# KiCad board RC-2XXA.kicad_pcb
title: KEYrschwein; date: 2025-12-23; company: KKLabs
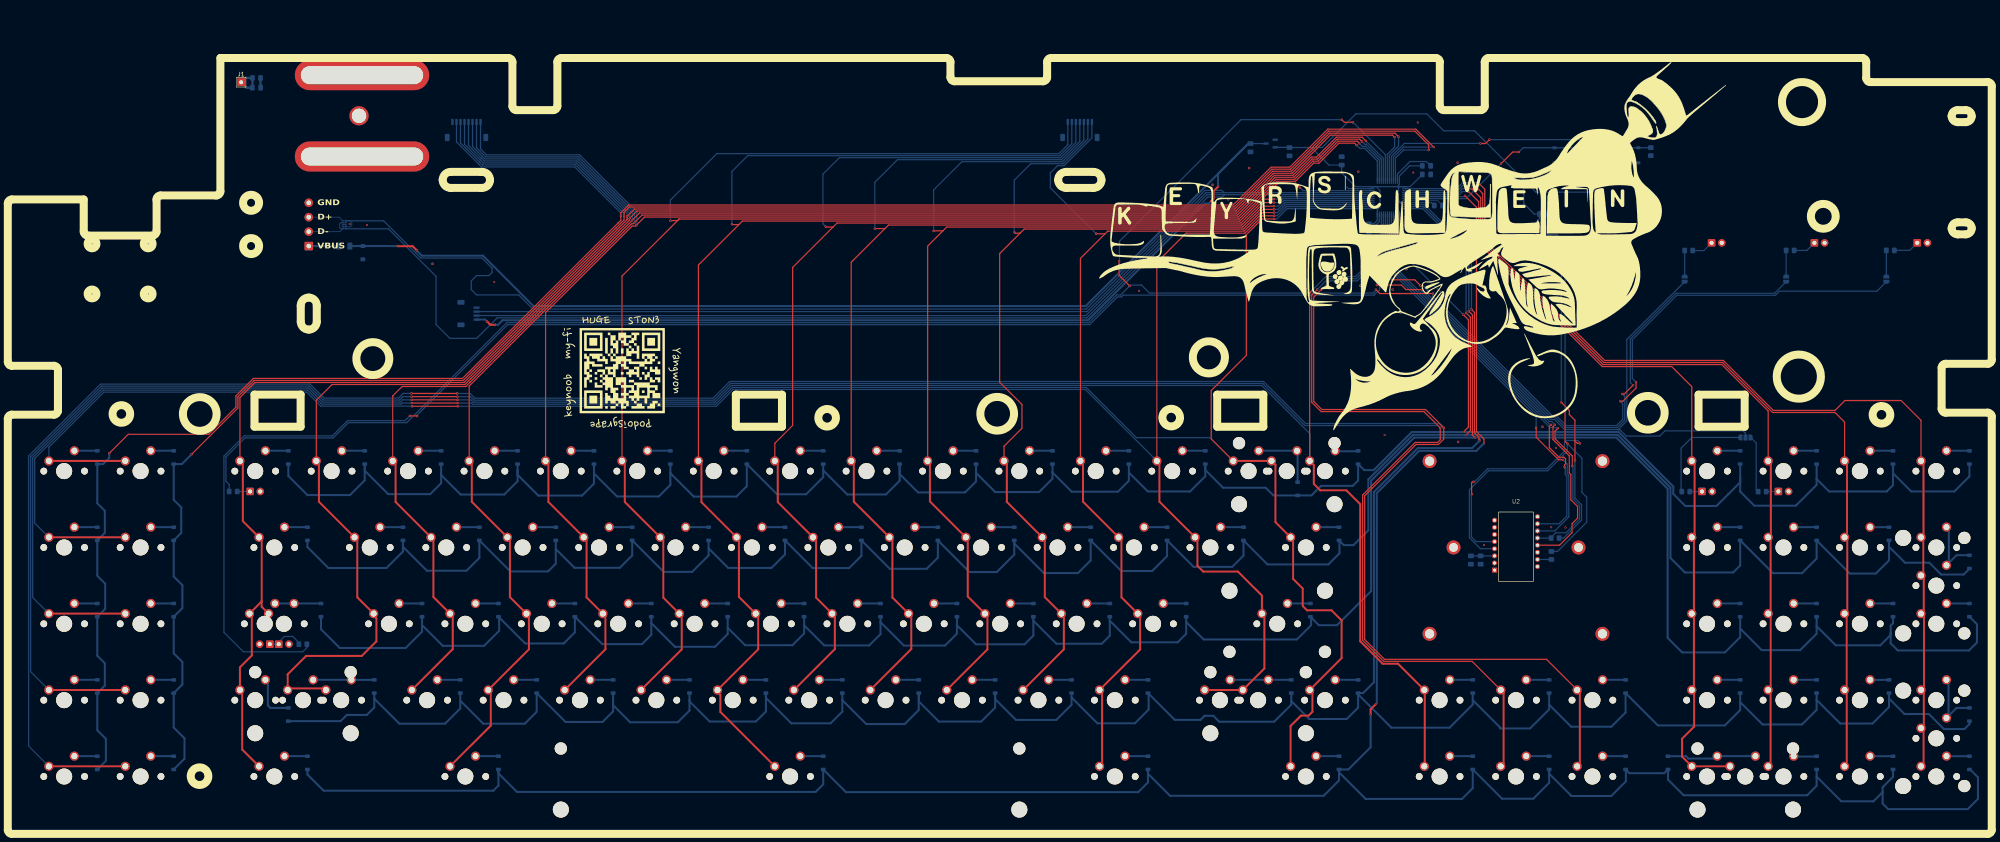
[diagram p0: board, top side]
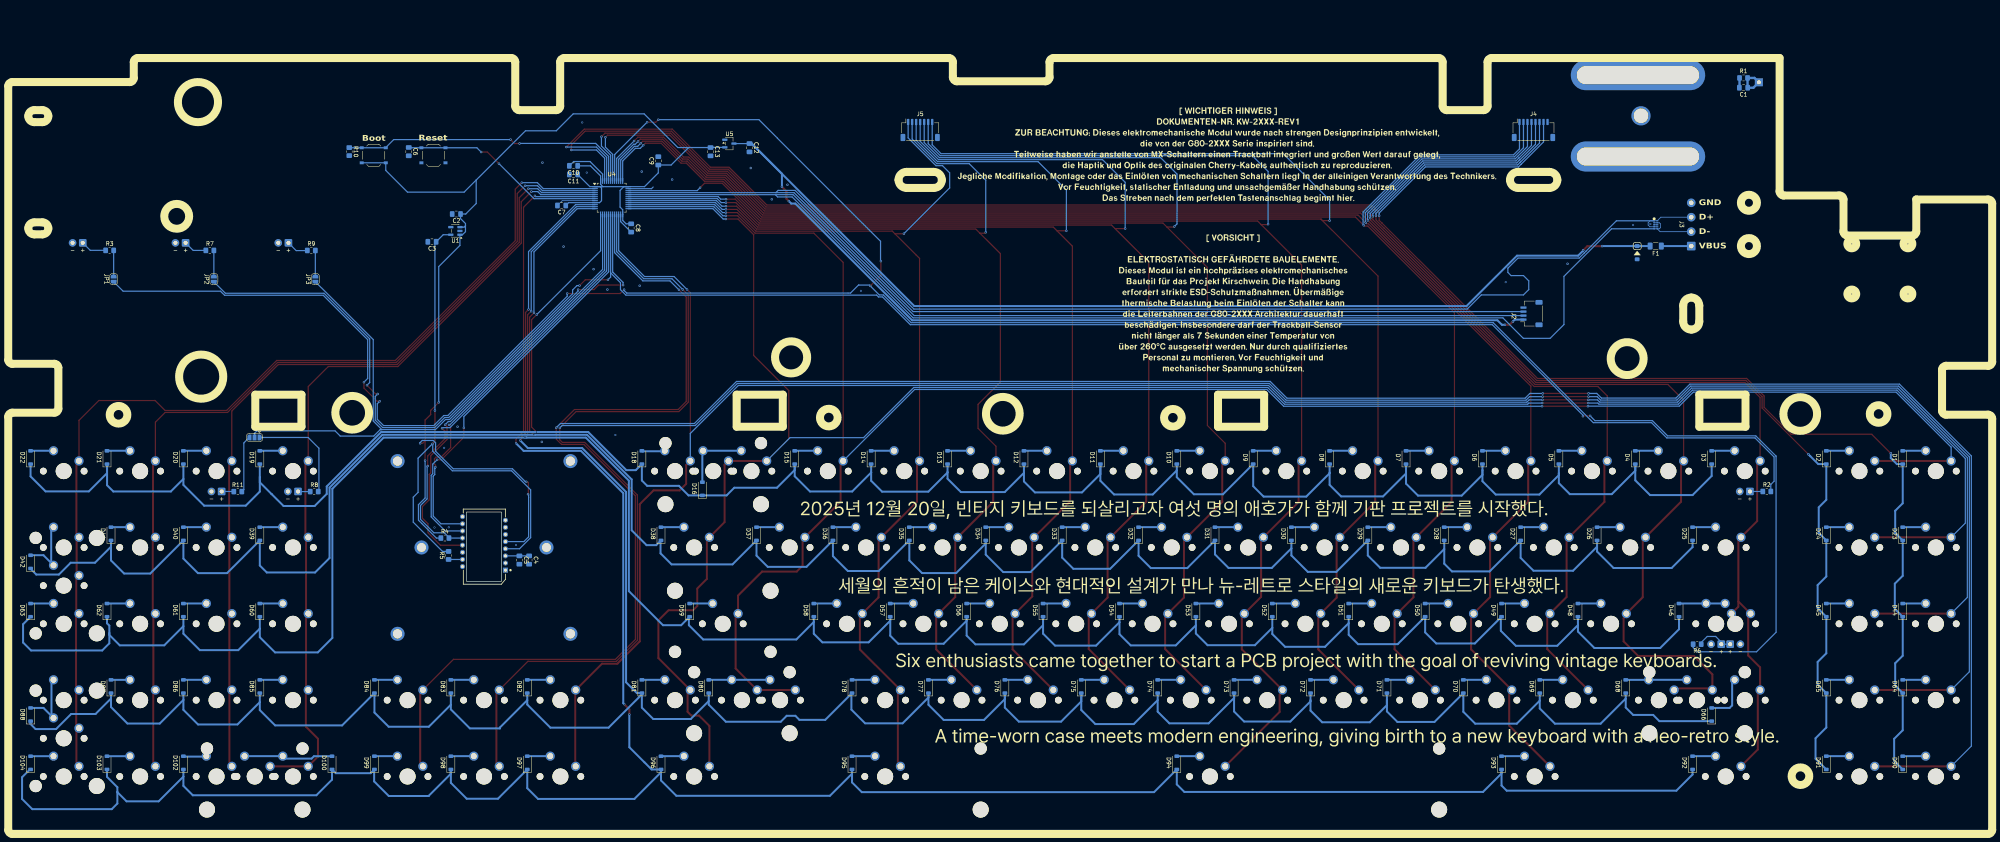
[diagram p1: board, bottom side, seen from below]

Outline 494.6 x 193.6 mm; copper layers: Top, Bottom. Coordinates in mm from the lower left corner of the outline.
Outline path: circle c21,147.23 r1.1 ; circle c21,134.73 r1.1 ; circle c28.26,104.8 r2.2 ; circle c35,147.23 r1.1 ; circle c35,134.73 r1.1 ; circle c47.8,104.8 r4.2 ; circle c47.8,14.4 r2.2 ; circle c60.59,157.5 r2 ; circle c60.59,146.7 r2 ; circle c91,118.6 r4.1 ; circle c204.2,103.86 r2.2 ; circle c246.6,104.86 r4.2 ; circle c289.98,103.9 r2.2 ; circle c299.43,118.91 r4 ; circle c408.8,105.1 r4.2 ; circle c446.5,114.1 r5.5 ; circle c447.3,182.6 r5 ; circle c452.6,154.1 r3.1 ; circle c467.05,104.6 r2.2 ; 0,157.3 0,117.8 arc(0.29,117.09) 1,116.8 11.5,116.8 arc(12.21,116.51) 12.5,115.8 12.5,105.6 arc(12.21,104.89) 11.5,104.6 1,104.6 arc(0.29,104.31) 0,103.6 0,1 arc(0.29,0.29) 1,0 493.6,0 arc(494.31,0.29) 494.6,1 494.6,104.1 arc(494.31,104.81) 493.6,105.1 483.1,105.1 arc(482.39,105.39) 482.1,106.1 482.1,116.3 arc(482.39,117.01) 483.1,117.3 493.6,117.3 arc(494.31,117.59) 494.6,118.3 494.6,186.6 arc(494.31,187.31) 493.6,187.6 464.3,187.6 arc(463.59,187.89) 463.3,188.6 463.3,192.6 arc(463.01,193.31) 462.3,193.6 369.2,193.6 arc(368.49,193.31) 368.2,192.6 368.2,181.6 arc(367.91,180.89) 367.2,180.6 358,180.6 arc(357.29,180.89) 357,181.6 357,192.6 arc(356.71,193.31) 356,193.6 260.1,193.6 arc(259.39,193.31) 259.1,192.6 259.1,188.8 arc(258.81,188.09) 258.1,187.8 236,187.8 arc(235.29,188.09) 235,188.8 235,192.6 arc(234.71,193.31) 234,193.6 138,193.6 arc(137.29,193.31) 137,192.6 137,181.6 arc(136.71,180.89) 136,180.6 126.8,180.6 arc(126.09,180.89) 125.8,181.6 125.8,192.6 arc(125.51,193.31) 124.8,193.6 54,193.6 arc(53.29,193.31) 53,192.6 53,160.3 arc(52.71,159.59) 52,159.3 38.08,159.3 arc(37.37,159.01) 37.08,158.3 37.08,150.3 arc(36.78,149.59) 36.08,149.3 19.93,149.3 arc(19.22,149.59) 18.93,150.3 18.93,157.3 arc(18.63,158.01) 17.93,158.3 1,158.3 arc(0.29,158.01) 0,157.3 ; 61.5,109.6 73,109.6 73,101.6 61.5,101.6 61.5,109.6 ; 72.97,131.85 arc(73.56,133.27) 74.97,133.85 arc(76.39,133.27) 76.97,131.85 76.97,127.85 arc(76.39,126.44) 74.97,125.85 arc(73.56,126.44) 72.97,127.85 72.97,131.85 ; 108.36,163.21 arc(108.94,164.62) 110.36,165.21 118.16,165.21 arc(119.57,164.62) 120.16,163.21 arc(119.57,161.79) 118.16,161.21 110.36,161.21 arc(108.94,161.79) 108.36,163.21 ; 181.5,109.6 193,109.6 193,101.6 181.5,101.6 181.5,109.6 ; 261.8,163.21 arc(262.39,164.62) 263.8,165.21 270.6,165.21 arc(272.01,164.62) 272.6,163.21 arc(272.01,161.79) 270.6,161.21 263.8,161.21 arc(262.39,161.79) 261.8,163.21 ; 301.5,109.6 313,109.6 313,101.6 301.5,101.6 301.5,109.6 ; 421.5,109.6 433,109.6 433,101.6 421.5,101.6 421.5,109.6 ; 484.6,179.1 arc(485.04,180.16) 486.1,180.6 488.1,180.6 arc(489.16,180.16) 489.6,179.1 arc(489.16,178.04) 488.1,177.6 486.1,177.6 arc(485.04,178.04) 484.6,179.1 ; 484.6,151.1 arc(485.04,152.16) 486.1,152.6 488.1,152.6 arc(489.16,152.16) 489.6,151.1 arc(489.16,150.04) 488.1,149.6 486.1,149.6 arc(485.04,150.04) 484.6,151.1

## Placement (name value [footprint] x y rotation side)
C1  4.7nF  [C_0805_2012Metric_Pad1.18x1.45mm_HandSolder]  61.94 186.21 0 bottom
C2  1uF  [C_0805_2012Metric_Pad1.18x1.45mm_HandSolder]  382.83 154.69 0 bottom
C3  1uF  [C_0805_2012Metric_Pad1.18x1.45mm_HandSolder]  388.91 147.76 0 bottom
C4  4.7uF/10V  [C_0805_2012Metric_Pad1.18x1.45mm_HandSolder]  364.7 68.36 270 bottom
C5  100nF  [C_0805_2012Metric_Pad1.18x1.45mm_HandSolder]  367.12 68.36 270 bottom
C6  100nF  [C_0805_2012Metric_Pad1.18x1.45mm_HandSolder]  394.7 170.27 270 bottom
C7  100nF  [C_0805_2012Metric_Pad1.18x1.45mm_HandSolder]  356.6 156.83 0 bottom
C8  100nF  [C_0805_2012Metric_Pad1.18x1.45mm_HandSolder]  339.26 151.22 270 bottom
C9  100nF  [C_0805_2012Metric_Pad1.18x1.45mm_HandSolder]  332.49 167.97 90 bottom
C10  100nF  [C_0805_2012Metric_Pad1.18x1.45mm_HandSolder]  353.63 166.72 0 bottom
C11  10uF  [C_0805_2012Metric_Pad1.18x1.45mm_HandSolder]  353.63 164.57 0 bottom
C12  1uF  [C_0805_2012Metric_Pad1.18x1.45mm_HandSolder]  309.75 171.24 270 bottom
C13  1uF  [C_0805_2012Metric_Pad1.18x1.45mm_HandSolder]  319.47 170.25 270 bottom
D1  1N4148  [D_SOD-123-g]  22.25 93.96 90 bottom
D2  1N4148  [D_SOD-123-g]  41.3 93.96 90 bottom
D3  1N4148  [D_SOD-123-g]  69.88 93.96 90 bottom
D4  1N4148  [D_SOD-123-g]  88.93 93.96 90 bottom
D5  1N4148  [D_SOD-123-g]  107.98 93.96 90 bottom
D6  1N4148  [D_SOD-123-g]  127.03 93.96 90 bottom
D7  1N4148  [D_SOD-123-g]  146.08 93.96 90 bottom
D8  1N4148  [D_SOD-123-g]  165.13 93.96 90 bottom
D9  1N4148  [D_SOD-123-g]  184.18 93.96 90 bottom
D10  1N4148  [D_SOD-123-g]  203.23 93.96 90 bottom
D11  1N4148  [D_SOD-123-g]  222.28 93.96 90 bottom
D12  1N4148  [D_SOD-123-g]  241.33 93.96 90 bottom
D13  1N4148  [D_SOD-123-g]  260.38 93.96 90 bottom
D14  1N4148  [D_SOD-123-g]  279.43 93.96 90 bottom
D15  1N4148  [D_SOD-123-g]  298.48 93.96 90 bottom
D16  1N4148  [D_SOD-123-g]  321.49 86.14 90 bottom
D18  1N4148  [D_SOD-123-g]  336.58 93.96 90 bottom
D19  1N4148  [D_SOD-123-g]  431.83 93.96 90 bottom
D20  1N4148  [D_SOD-123-g]  450.88 93.96 90 bottom
D21  1N4148  [D_SOD-123-g]  469.93 93.96 90 bottom
D22  1N4148  [D_SOD-123-g]  488.98 93.96 90 bottom
D23  1N4148  [D_SOD-123-g]  22.25 74.91 90 bottom
D24  1N4148  [D_SOD-123-g]  41.3 74.91 90 bottom
D25  1N4148  [D_SOD-123-g]  74.64 74.91 90 bottom
D26  1N4148  [D_SOD-123-g]  98.45 74.91 90 bottom
D27  1N4148  [D_SOD-123-g]  117.5 74.91 90 bottom
D28  1N4148  [D_SOD-123-g]  136.55 74.91 90 bottom
D29  1N4148  [D_SOD-123-g]  155.6 74.91 90 bottom
D30  1N4148  [D_SOD-123-g]  174.65 74.91 90 bottom
D31  1N4148  [D_SOD-123-g]  193.7 74.91 90 bottom
D32  1N4148  [D_SOD-123-g]  212.75 74.91 90 bottom
D33  1N4148  [D_SOD-123-g]  231.8 74.91 90 bottom
D34  1N4148  [D_SOD-123-g]  250.85 74.91 90 bottom
D35  1N4148  [D_SOD-123-g]  269.9 74.91 90 bottom
D36  1N4148  [D_SOD-123-g]  288.95 74.91 90 bottom
D37  1N4148  [D_SOD-123-g]  308 74.91 90 bottom
D38  1N4148  [D_SOD-123-g]  331.82 74.91 90 bottom
D39  1N4148  [D_SOD-123-g]  431.83 74.91 90 bottom
D40  1N4148  [D_SOD-123-g]  450.88 74.91 90 bottom
D41  1N4148  [D_SOD-123-g]  468.93 74.91 90 bottom
D42  1N4148  [D_SOD-123-g]  488.98 67.91 90 bottom
D44  1N4148  [D_SOD-123-g]  22.25 55.86 90 bottom
D45  1N4148  [D_SOD-123-g]  41.3 55.86 90 bottom
D46  1N4148  [D_SOD-123-g]  78.02 55.86 90 bottom
D48  1N4148  [D_SOD-123-g]  103.22 55.86 90 bottom
D49  1N4148  [D_SOD-123-g]  122.27 55.86 90 bottom
D50  1N4148  [D_SOD-123-g]  141.32 55.86 90 bottom
D51  1N4148  [D_SOD-123-g]  160.37 55.86 90 bottom
D52  1N4148  [D_SOD-123-g]  179.42 55.86 90 bottom
D53  1N4148  [D_SOD-123-g]  198.47 55.86 90 bottom
D54  1N4148  [D_SOD-123-g]  217.52 55.86 90 bottom
D55  1N4148  [D_SOD-123-g]  236.57 55.86 90 bottom
D56  1N4148  [D_SOD-123-g]  255.62 55.86 90 bottom
D57  1N4148  [D_SOD-123-g]  274.67 55.86 90 bottom
D58  1N4148  [D_SOD-123-g]  293.72 55.86 90 bottom
D59  1N4148  [D_SOD-123-g]  324.67 55.86 90 bottom
D60  1N4148  [D_SOD-123-g]  431.83 55.86 90 bottom
D61  1N4148  [D_SOD-123-g]  450.88 55.86 90 bottom
D62  1N4148  [D_SOD-123-g]  469.93 55.86 90 bottom
D63  1N4148  [D_SOD-123-g]  488.98 55.86 90 bottom
D64  1N4148  [D_SOD-123-g]  22.25 36.81 90 bottom
D65  1N4148  [D_SOD-123-g]  41.3 36.81 90 bottom
D66  1N4148  [D_SOD-123-g]  69.88 29.81 90 bottom
D68  1N4148  [D_SOD-123-g]  91.31 36.81 90 bottom
D69  1N4148  [D_SOD-123-g]  112.74 36.81 90 bottom
D70  1N4148  [D_SOD-123-g]  131.79 36.81 90 bottom
D71  1N4148  [D_SOD-123-g]  150.84 36.81 90 bottom
D72  1N4148  [D_SOD-123-g]  169.89 36.81 90 bottom
D73  1N4148  [D_SOD-123-g]  188.94 36.81 90 bottom
D74  1N4148  [D_SOD-123-g]  207.99 36.81 90 bottom
D75  1N4148  [D_SOD-123-g]  227.04 36.81 90 bottom
D76  1N4148  [D_SOD-123-g]  246.09 36.81 90 bottom
D77  1N4148  [D_SOD-123-g]  265.14 36.81 90 bottom
D78  1N4148  [D_SOD-123-g]  284.19 36.81 90 bottom
D80  1N4148  [D_SOD-123-g]  319.91 36.81 90 bottom
D81  1N4148  [D_SOD-123-g]  336.58 36.81 90 bottom
D82  1N4148  [D_SOD-123-g]  365.15 36.81 90 bottom
D83  1N4148  [D_SOD-123-g]  384.2 36.81 90 bottom
D84  1N4148  [D_SOD-123-g]  403.25 36.81 90 bottom
D85  1N4148  [D_SOD-123-g]  431.83 36.81 90 bottom
D86  1N4148  [D_SOD-123-g]  450.88 36.81 90 bottom
D87  1N4148  [D_SOD-123-g]  468.93 36.81 90 bottom
D88  1N4148  [D_SOD-123-g]  488.98 29.81 90 bottom
D90  1N4148  [D_SOD-123-g]  22.25 17.76 90 bottom
D91  1N4148  [D_SOD-123-g]  41.3 17.76 90 bottom
D92  1N4148  [D_SOD-123-g]  74.64 17.76 90 bottom
D93  1N4148  [D_SOD-123-g]  122.27 17.76 90 bottom
D94  1N4148  [D_SOD-123-g]  203.23 17.76 90 bottom
D95  1N4148  [D_SOD-123-g]  284.19 17.76 90 bottom
D96  1N4148  [D_SOD-123-g]  331.82 17.76 90 bottom
D97  1N4148  [D_SOD-123-g]  365.15 17.76 90 bottom
D98  1N4148  [D_SOD-123-g]  384.2 17.76 90 bottom
D99  1N4148  [D_SOD-123-g]  403.25 17.76 90 bottom
D100  1N4148  [D_SOD-123-g]  413.83 17.76 90 bottom
D102  1N4148  [D_SOD-123-g]  450.88 17.76 90 bottom
D103  1N4148  [D_SOD-123-g]  469.93 17.76 90 bottom
D104  1N4148  [D_SOD-123-g]  488.98 17.76 90 bottom
D206  SMF6.0A  [D_SOD-123]  88.46 145.05 270 bottom
F1  500mA  [Fuse_1206_3216Metric]  83.83 146.7 0 bottom
H1  MountingHole_Pad  [Cherry-GND-PAD]  87.5 179.2 0 top
J1  Conn_01x01_Pin  [TestPoint_THTPad_2.0x2.0mm_Drill1.0mm]  58.12 187.57 0 top
J2  Conn_01x04_Pin  [JST_SH_SM04B-SRSS-TB_1x04-1MP_P1.00mm_Horizontal]  114.8 129.85 90 bottom
J3  Conn_01x04_Pin  [My-SolderWire-0.5sqmm_1x04_D0.9mm_OD2.1mm]  74.97 146.7 90 bottom
J4  Conn_01x08_Socket  [JST_SH_SM08B-SRSS-TB_1x08-1MP_P1.00mm_Horizontal]  114.3 175.67 180 bottom
J5  Conn_01x07_Socket  [JST_SH_SM07B-SRSS-TB_1x07-1MP_P1.00mm_Horizontal]  267.2 175.67 180 bottom
JP1  SolderJumper_2_Open  [SolderJumper-2_P1.3mm_Open_RoundedPad1.0x1.5mm]  468.27 138.45 90 bottom
JP2  SolderJumper_2_Open  [SolderJumper-2_P1.3mm_Open_RoundedPad1.0x1.5mm]  443.29 138.45 90 bottom
JP3  SolderJumper_2_Open  [SolderJumper-2_P1.3mm_Open_RoundedPad1.0x1.5mm]  417.99 138.45 90 bottom
JP4  SolderJumper_3_Open  [SolderJumper-3_P1.3mm_Open_RoundedPad1.0x1.5mm]  433.15 98.94 0 bottom
LED1  LED  [DIP_LED_MX_3mm]  61.62 90.54 0 top
LED2  LED  [DIP_LED_MX_3mm]  477.24 152.59 0 top
LED3  LED  [CAPS_LED_MX_3mm]  68.76 52.44 0 top
LED4  LED  [DIP_LED_MX_3mm]  451.6 152.59 0 top
LED5  LED  [DIP_LED_MX_3mm]  423.57 90.54 0 top
LED6  LED  [DIP_LED_MX_3mm]  425.97 152.59 0 top
LED7  LED  [DIP_LED_MX_3mm]  442.62 90.54 0 top
MX1  MX_SW_solder  [SW_MX_1u]  13.99 90.54 0 top
MX2  MX_SW_solder  [SW_MX_1u]  33.04 90.54 0 top
MX3  MX_SW_solder  [SW_MX_1u]  61.62 90.54 0 top
MX4  MX_SW_solder  [SW_MX_1u]  80.67 90.54 0 top
MX5  MX_SW_solder  [SW_MX_1u]  99.72 90.54 0 top
MX6  MX_SW_solder  [SW_MX_1u]  118.77 90.54 0 top
MX7  MX_SW_solder  [SW_MX_1u]  137.82 90.54 0 top
MX8  MX_SW_solder  [SW_MX_1u]  156.87 90.54 0 top
MX9  MX_SW_solder  [SW_MX_1u]  175.92 90.54 0 top
MX10  MX_SW_solder  [SW_MX_1u]  194.97 90.54 0 top
MX11  MX_SW_solder  [SW_MX_1u]  214.02 90.54 0 top
MX12  MX_SW_solder  [SW_MX_1u]  233.07 90.54 0 top
MX13  MX_SW_solder  [SW_MX_1u]  252.12 90.54 0 top
MX14  MX_SW_solder  [SW_MX_1u]  271.17 90.54 0 top
MX15  MX_SW_solder  [SW_MX_1u]  290.22 90.54 0 top
MX16  MX_SW_solder  [SW_MX_1u]  309.27 90.54 0 top
MX17  MX_SW_solder  [SW_MX_1u]  318.79 90.54 0 top
MX18  MX_SW_solder  [SW_MX_1u]  328.32 90.54 0 top
MX19  MX_SW_solder  [SW_MX_1u]  423.57 90.54 0 top
MX20  MX_SW_solder  [SW_MX_1u]  442.62 90.54 0 top
MX21  MX_SW_solder  [SW_MX_1u]  461.67 90.54 0 top
MX22  MX_SW_solder  [SW_MX_1u]  480.72 90.54 0 top
MX23  MX_SW_solder  [SW_MX_1u]  13.99 71.49 0 top
MX24  MX_SW_solder  [SW_MX_1u]  33.04 71.49 0 top
MX25  MX_SW_solder  [SW_MX_1.5u]  66.38 71.49 0 top
MX26  MX_SW_solder  [SW_MX_1u]  90.19 71.49 0 top
MX27  MX_SW_solder  [SW_MX_1u]  109.24 71.49 0 top
MX28  MX_SW_solder  [SW_MX_1u]  128.29 71.49 0 top
MX29  MX_SW_solder  [SW_MX_1u]  147.34 71.49 0 top
MX30  MX_SW_solder  [SW_MX_1u]  166.39 71.49 0 top
MX31  MX_SW_solder  [SW_MX_1u]  185.44 71.49 0 top
MX32  MX_SW_solder  [SW_MX_1u]  204.49 71.49 0 top
MX33  MX_SW_solder  [SW_MX_1u]  223.54 71.49 0 top
MX34  MX_SW_solder  [SW_MX_1u]  242.59 71.49 0 top
MX35  MX_SW_solder  [SW_MX_1u]  261.64 71.49 0 top
MX36  MX_SW_solder  [SW_MX_1u]  280.69 71.49 0 top
MX37  MX_SW_solder  [SW_MX_1u]  299.74 71.49 0 top
MX38  MX_SW_solder  [SW_MX_1.5u]  323.56 71.49 0 top
MX39  MX_SW_solder  [SW_MX_1u]  423.57 71.49 0 top
MX40  MX_SW_solder  [SW_MX_1u]  442.62 71.49 0 top
MX41  MX_SW_solder  [SW_MX_1u]  461.67 71.49 0 top
MX42  MX_SW_solder  [SW_MX_1u]  480.72 71.49 0 top
MX43  MX_SW_solder  [SW_MX_1u]  480.72 61.97 0 top
MX44  MX_SW_solder  [SW_MX_1u]  13.99 52.44 0 top
MX45  MX_SW_solder  [SW_MX_1u]  33.04 52.44 0 top
MX46  MX_SW_solder  [SW_MX_1.75u_STP_1.25]  64 52.44 0 top
MX47  MX_SW_solder  [SW_MX_1.75u]  68.76 52.44 0 top
MX48  MX_SW_solder  [SW_MX_1u]  94.96 52.44 0 top
MX49  MX_SW_solder  [SW_MX_1u]  114.01 52.44 0 top
MX50  MX_SW_solder  [SW_MX_1u]  133.06 52.44 0 top
MX51  MX_SW_solder  [SW_MX_1u]  152.11 52.44 0 top
MX52  MX_SW_solder  [SW_MX_1u]  171.16 52.44 0 top
MX53  MX_SW_solder  [SW_MX_1u]  190.21 52.44 0 top
MX54  MX_SW_solder  [SW_MX_1u]  209.26 52.44 0 top
MX55  MX_SW_solder  [SW_MX_1u]  228.31 52.44 0 top
MX56  MX_SW_solder  [SW_MX_1u]  247.36 52.44 0 top
MX57  MX_SW_solder  [SW_MX_1u]  266.41 52.44 0 top
MX58  MX_SW_solder  [SW_MX_1u]  285.46 52.44 0 top
MX59  MX_SW_solder  [SW_MX_1u]  316.41 52.44 0 top
MX60  MX_SW_solder  [SW_MX_1u]  423.57 52.44 0 top
MX61  MX_SW_solder  [SW_MX_1u]  442.62 52.44 0 top
MX62  MX_SW_solder  [SW_MX_1u]  461.67 52.44 0 top
MX63  MX_SW_solder  [SW_MX_1u]  480.72 52.44 0 top
MX64  MX_SW_solder  [SW_MX_1u]  13.99 33.39 0 top
MX65  MX_SW_solder  [SW_MX_1u]  33.04 33.39 0 top
MX66  MX_SW_solder  [SW_MX_1u]  61.62 33.39 0 top
MX67  MX_SW_solder  [SW_MX_1u]  73.52 33.39 0 top
MX68  MX_SW_solder  [SW_MX_1.25u]  83.05 33.39 0 top
MX69  MX_SW_solder  [SW_MX_1u]  104.48 33.39 0 top
MX70  MX_SW_solder  [SW_MX_1u]  123.53 33.39 0 top
MX71  MX_SW_solder  [SW_MX_1u]  142.58 33.39 0 top
MX72  MX_SW_solder  [SW_MX_1u]  161.63 33.39 0 top
MX73  MX_SW_solder  [SW_MX_1u]  180.68 33.39 0 top
MX74  MX_SW_solder  [SW_MX_1u]  199.73 33.39 0 top
MX75  MX_SW_solder  [SW_MX_1u]  218.78 33.39 0 top
MX76  MX_SW_solder  [SW_MX_1u]  237.83 33.39 0 top
MX77  MX_SW_solder  [SW_MX_1u]  256.88 33.39 0 top
MX78  MX_SW_solder  [SW_MX_1u]  275.93 33.39 0 top
MX79  MX_SW_solder  [SW_MX_1.75u]  302.12 33.39 0 top
MX80  MX_SW_solder  [SW_MX_1u]  311.65 33.39 0 top
MX81  MX_SW_solder  [SW_MX_1u]  328.32 33.39 0 top
MX82  MX_SW_solder  [SW_MX_1u]  356.89 33.39 0 top
MX83  MX_SW_solder  [SW_MX_1u]  375.94 33.39 0 top
MX84  MX_SW_solder  [SW_MX_1u]  394.99 33.39 0 top
MX85  MX_SW_solder  [SW_MX_1u]  423.57 33.39 0 top
MX86  MX_SW_solder  [SW_MX_1u]  442.62 33.39 0 top
MX87  MX_SW_solder  [SW_MX_1u]  461.67 33.39 0 top
MX88  MX_SW_solder  [SW_MX_1u]  480.72 33.39 0 top
MX89  MX_SW_solder  [SW_MX_1u]  480.72 23.87 0 top
MX90  MX_SW_solder  [SW_MX_1u]  13.99 14.34 0 top
MX91  MX_SW_solder  [SW_MX_1u]  33.04 14.34 0 top
MX92  MX_SW_solder  [SW_MX_1.5u]  66.38 14.34 0 top
MX93  MX_SW_solder  [SW_MX_1.5u]  114.01 14.34 0 top
MX94  MX_SW_solder  [SW_MX_1u]  194.97 14.34 0 top
MX95  MX_SW_solder  [SW_MX_1.5u]  275.93 14.34 0 top
MX96  MX_SW_solder  [SW_MX_1.5u]  323.56 14.34 0 top
MX97  MX_SW_solder  [SW_MX_1u]  356.89 14.34 0 top
MX98  MX_SW_solder  [SW_MX_1u]  375.94 14.34 0 top
MX99  MX_SW_solder  [SW_MX_1u]  394.99 14.34 0 top
MX100  MX_SW_solder  [SW_MX_1u]  423.57 14.34 0 top
MX101  MX_SW_solder  [SW_MX_1u]  433.09 14.34 0 top
MX102  MX_SW_solder  [SW_MX_1u]  442.62 14.34 0 top
MX103  MX_SW_solder  [SW_MX_1u]  461.67 14.34 0 top
MX104  MX_SW_solder  [SW_MX_1u]  480.72 14.34 0 top
R1  1M  [R_0805_2012Metric_Pad1.20x1.40mm_HandSolder]  61.94 188.65 0 bottom
R2  220  [R_0805_2012Metric_Pad1.20x1.40mm_HandSolder]  56.14 85.47 180 bottom
R3  220  [R_0805_2012Metric_Pad1.20x1.40mm_HandSolder]  469.27 145.63 180 bottom
R4  10k  [R_0805_2012Metric_Pad1.20x1.40mm_HandSolder]  385.69 73.84 180 bottom
R5  39R  [R_0805_2012Metric_Pad1.20x1.40mm_HandSolder]  384.77 69.5 90 bottom
R6  220  [R_0805_2012Metric_Pad1.20x1.40mm_HandSolder]  73.5 47.36 0 bottom
R7  220  [R_0805_2012Metric_Pad1.20x1.40mm_HandSolder]  444.29 145.62 180 bottom
R8  220  [R_0805_2012Metric_Pad1.20x1.40mm_HandSolder]  418.27 85.44 180 bottom
R9  220  [R_0805_2012Metric_Pad1.20x1.40mm_HandSolder]  418.99 145.6 180 bottom
R10  10k  [R_0805_2012Metric_Pad1.20x1.40mm_HandSolder]  409.54 170.27 270 bottom
R11  220  [R_0805_2012Metric_Pad1.20x1.40mm_HandSolder]  437.32 85.44 180 bottom
REF**  myfi  [Logo-MyFi_Mask]  483.98 122.86 0 top
REF**#2  -  [Logo-KKLabs_Mask]  476.08 134.99 0 top
S17  MX_stab  [STAB_MX_2u]  318.79 90.54 0 top
S43  MX_stab  [STAB_MX_2u]  480.72 61.97 270 top
S59  MX_stab  [STAB_MX_2.25u]  316.41 52.44 180 top
S67  MX_stab  [STAB_MX_2.25u]  73.52 33.39 0 top
S80  MX_stab  [STAB_MX_2.75u]  311.65 33.39 0 top
S89  MX_stab  [STAB_MX_2u]  480.72 23.87 270 top
S94  MX_stab  [STAB_MX_7u]  194.97 14.34 0 top
S101  MX_stab  [STAB_MX_2u]  433.09 14.34 0 top
SW1  SW_DPST_x2  [SW_Push_1P1T_XKB_TS-1187A]  388.55 169.35 180 bottom
SW2  SW_DPST_x2  [SW_Push_1P1T_XKB_TS-1187A]  403.43 169.35 180 bottom
U1  TLV74318PDBVR  [SOT-23-5]  383.08 150.48 0 bottom
U2  PMW3360DM-T2QU  [TrackballHolder_34mm]  375.94 71.49 0 top
U3  TPD4E05U06DQAR  [USON-10_2.5x1.0mm_P0.5mm]  83.83 152 180 bottom
U4  STM32F072CBTx  [LQFP-48_7x7mm_P0.5mm]  344.12 158.78 180 bottom
U5  XC6206PxxxMR  [SOT-23-3]  314.77 172.28 180 bottom

## Library data of the parts
C1 = -: ki_fp_filters: C_*
C2-C5 = -: Description: Unpolarized capacitor, small symbol; ki_fp_filters: C_*
C6-C13 = -: Description: Unpolarized capacitor; ki_fp_filters: C_*
D1-D16 D18-D42 D44-D46 D48-D66 D68-D78 D80-D88 D90-D100 D102-D104 = -: Description: Diode; Sim.Device: D; Sim.Pins: 1=K 2=A; ki_fp_filters: TO-???* *_Diode_* *SingleDiode* D_*
D206 = -: LCSC Part Number: C708002; Manufacturer: FTR; Package: SOD-123FL; ki_fp_filters: TO-???* *_Diode_* *SingleDiode* D_*
F1 = -: LCSC: C70076; ki_fp_filters: *polyfuse* *PTC*
H1 = -: Description: Mounting Hole with connection; ki_fp_filters: MountingHole*Pad*
J1 = -: Description: Generic connector, single row, 01x01, script generated; ki_fp_filters: Connector*:*_1x??_*
J2 = -: Description: Generic connector, single row, 01x04, script generated; MPN: C160404; ki_fp_filters: Connector*:*_1x??_*
J3 = -: Description: Generic connector, single row, 01x04, script generated; ki_fp_filters: Connector*:*_1x??_*
J4 = -: Description: Generic connector, single row, 01x08, script generated; ki_fp_filters: Connector*:*_1x??_*
J5 = -: Description: Generic connector, single row, 01x07, script generated; ki_fp_filters: Connector*:*_1x??_*
JP1-JP3 = -: Description: Solder Jumper, 2-pole, open; ki_fp_filters: SolderJumper*Open*
JP4 = -: Description: Solder Jumper, 3-pole, open; ki_fp_filters: SolderJumper*Open*
LED1-LED7 = -: Description: Light emitting diode; Sim.Pins: 1=K 2=A; ki_fp_filters: LED* LED_SMD:* LED_THT:*
MX1-MX104 = -: Description: Push button switch, normally open, two pins, 45° tilted
R1-R3 R6-R9 R11 = -: ki_fp_filters: R_*
R4 R5 R10 = -: Description: Resistor; ki_fp_filters: R_*
S17 S43 S59 S67 S80 S89 S94 S101 = -: Description: Cherry MX-style stabilizer
SW1 SW2 = -: Description: Single Pole Single Throw (SPST) switch, separate symbol; MPN: C318884
U1 = -: Description: LDO Voltage Regulators 300-mA low-IQ low-dropout (LDO) voltage regulator with enable 5-SOT-23 -40 to 125; MPN: C485152
U2 = -: Datasheet: https://www.pixart.com/products-detail/tw/10/PMW3360DM-T2QU; Description: Optical mouse sensor
U3 = -: LCSC Part Number: C138714; Manufacturer: Texas Instruments; Package: uSON-10; ki_fp_filters: USON*2.5x1.0mm*P0.5mm*
U4 = -: Datasheet: https://www.st.com/resource/en/datasheet/stm32f072cb.pdf; Description: STMicroelectronics Arm Cortex-M0 MCU, 128KB flash, 16KB RAM, 48 MHz, 2.0-3.6V, 37 GPIO, LQFP48; MPN: C81720; ki_fp_filters: LQFP*7x7mm*P0.5mm*
U5 = -: Datasheet: https://www.torexsemi.com/file/xc6206/XC6206.pdf; Description: Positive 60-250mA Low Dropout Regulator, Fixed Output, SOT-23; MPN: C5148692; ki_fp_filters: SOT?23?3*
